# Altium PCB DIO_MCX_Isolated.PCBDOC (part 2 of 5) (continued)
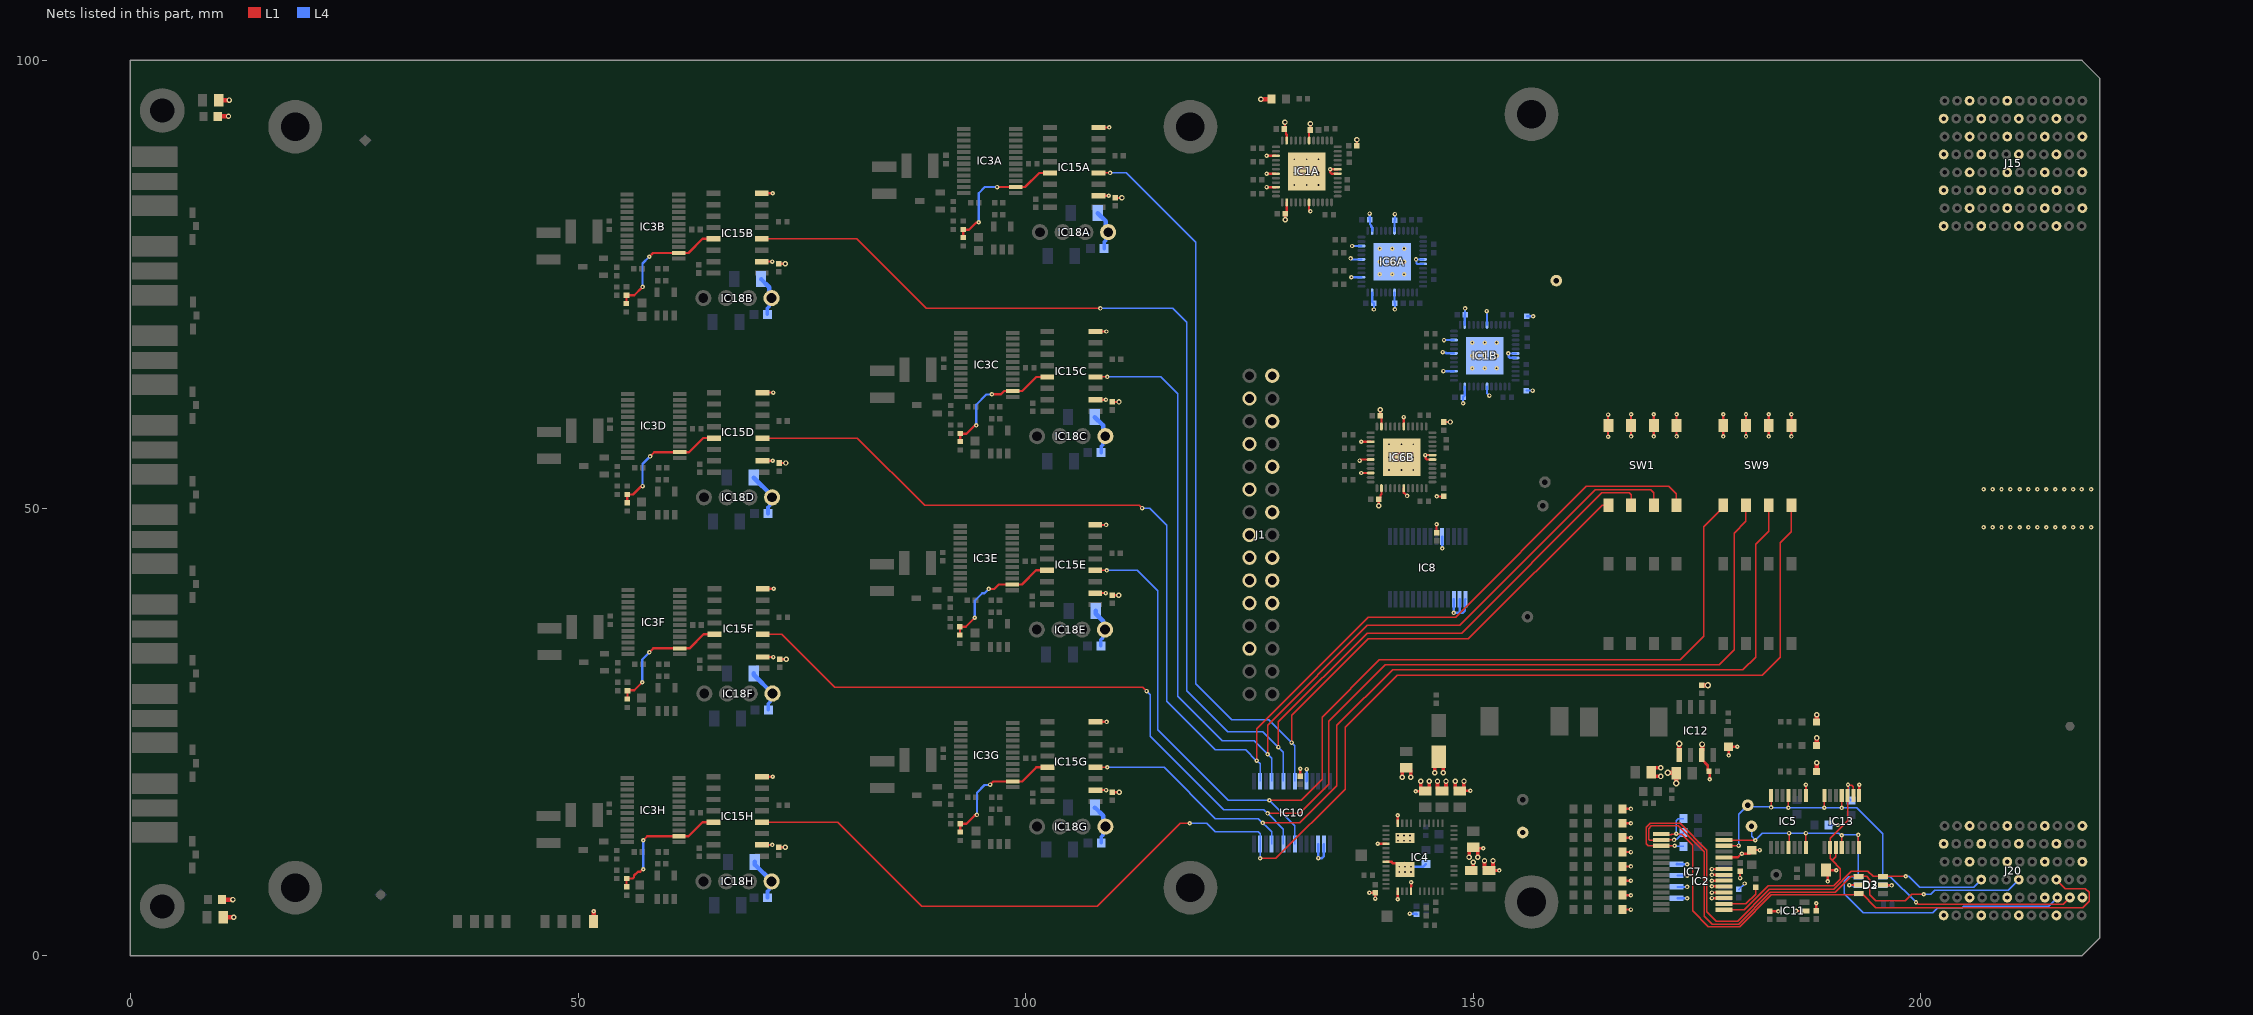
[diagram p4: the nets of this part, all layers, seen from the top]
## Part data (continued)
R5A R5B R7A R7B R9A R9B R11A R11B R13A R13B R16A R16B R21A R21B R24A R24B: library part R0402_100R_1%_0.1W_100PPM, "Resistor - 1%", Case=0402, Manufacturer=GENERIC, Manufacturer1 ComponentHeight=0.4mm, Manufacturer1 Example=PANASONIC, Manufacturer1 Part Number=ERJ2RKF1000X, Manufacturer Part Number=R0402_100R_1%_0.1W_100PPM_50V, Power=0.1W, Tolerance=±1%, Voltage=50V, Author="CERN DEM JLC", Component Type=Standard, CreateDate=12.12.2013, HelpURL=\\cern.ch\dfs\Applications\Altium\Datasheets\R0402_PANASONIC_ERJ2RK.pdf, LatestRevisionDate=03.03.2015, Mounted=Yes, Part Description="General Purpose Thick Film Chip Resistor", Part Number=R0402_100R_1%_0.1W_100PPM, Pin Count=2, Sense=No, SMD=Yes, Socket=No, Status="Not recommended", TC=±100ppm/°C
R6 R30 R32 R33 R61A R61B R61C R61D R61E R61F R61G R61H R65A R65B R65C R65D R65E R65F R65G R65H R67A R67B R67C R67D R67E R67F R67G R67H R104 R105: library part R0402_10K_1%_0.0625W_100PPM, "Resistor - 1%", Case=0402, Manufacturer=GENERIC, Manufacturer1 ComponentHeight=0.4mm, Manufacturer1 Example="YAGEO PHYCOMP", Manufacturer1 Part Number=232270671003L, Power=0.0625W, Tolerance=±1%, Author="CERN DEM JLC", Component Type=Standard, HelpURL=\\cern.ch\dfs\Applications\Altium\Datasheets\R0402_Phycomp_RC0402.pdf, Manufacturer Part Number=R0402_10K_1%_0.0625W_100PPM, Mounted=Yes, Part Description="General Purpose Thick Film Chip Resistor", Part Number=R0402_10K_1%_0.0625W_100PPM, Pin Count=2, SMD=Yes, Socket=No, TC=±100ppm/°C
  R6 R30 R65A R65B R65C R65D R65E R65F R65G R65H: CreateDate=03.12.2007, LatestRevisionDate=17.10.2012, Sense=No, Status="Not recommended"
  R32 R33: CreateDate=2007-12-03, LatestRevisionDate=2012-10-17, Status="Not recommended", Table="Resistors SMD"
  R61A R61B R61C R61D R61E R61F R61G R61H R67A R67B R67C R67D R67E R67F R67G R67H R104 R105: CreateDate=03.12.2007, LatestRevisionDate=17.10.2012, PressFit=No, Sense=No, Status="Not Recommended"
R8 R10: library part R0402_1k_1%_0.0625W_100PPM, "Resistor - 1%", Case=0402, Manufacturer=GENERIC, Manufacturer1 ComponentHeight=0.4mm, Manufacturer1 Example="YAGEO PHYCOMP", Manufacturer1 Part Number=232270671002L, Manufacturer Part Number=R0402_1K_1%_0.0625W_100PPM, Power=0.0625W, Tolerance=±1%, Author="CERN DEM JLC", Component Type=Standard, CreateDate=03.12.2007, HelpURL=\\cern.ch\dfs\Applications\Altium\Datasheets\R0402_Phycomp_RC0402.pdf, LatestRevisionDate=17.10.2012, Mounted=Yes, Part Description="General Purpose Thick Film Chip Resistor", Part Number=R0402_1K_1%_0.0625W_100PPM, Pin Count=2, PressFit=No, Sense=No, SMD=Yes, Socket=No, Status="Not Recommended", TC=±100ppm/°C
R15A R15B R15C R15D R15E R15F R15G R15H R17A R17B R18A R18B R19A R19B R20A R20B R22A R22B R23A R23B R25A R25B R26A R26B: library part R0402_33R_1%_0.0625W_100PPM, "Resistor - 1%", Case=0402, Manufacturer=GENERIC, Manufacturer1 ComponentHeight=0.4mm, Manufacturer1 Example="YAGEO PHYCOMP", Manufacturer1 Part Number=232270673309L, Power=0.0625W, Tolerance=±1%, Author="CERN DEM JLC", Component Type=Standard, CreateDate=03.12.2007, HelpURL=\\cern.ch\dfs\Applications\Altium\Datasheets\R0402_Phycomp_RC0402.pdf, LatestRevisionDate=17.10.2012, Manufacturer Part Number=R0402_33R_1%_0.0625W_100PPM, Mounted=Yes, Part Description="General Purpose Thick Film Chip Resistor", Part Number=R0402_33R_1%_0.0625W_100PPM, Pin Count=2, PressFit=No, Sense=No, SMD=Yes, Socket=No, Status="Not Recommended", TC=±100ppm/°C
R27 R52: library part R0402_0R_JUMPER, "Resistor", Case=0402, Manufacturer=GENERIC, Manufacturer1 ComponentHeight=0.4mm, Manufacturer1 Example="YAGEO PHYCOMP", Manufacturer1 Part Number=232270591001L, Author="CERN DEM JLC", Component Type=Standard, CreateDate=03.12.2007, HelpURL=\\cern.ch\dfs\Applications\Altium\Datasheets\R0402_Phycomp_RC0402.pdf, LatestRevisionDate=17.10.2012, Manufacturer Part Number=R0402_0R_JUMPER, Mounted=Yes, Part Description="1A (0.05R Max DC Resistance) Zero Ohm Jumper", Part Number=R0402_0R_JUMPER, Pin Count=2, PressFit=No, Sense=No, SMD=Yes, Socket=No, Status="Not Recommended"
R28 R63A R63B R63C R63D R63E R63F R63G R63H: library part R0402_22R_1%_0.0625W_100PPM, "Resistor - 1%", Case=0402, Manufacturer=GENERIC, Manufacturer1 ComponentHeight=0.4mm, Manufacturer1 Example="YAGEO PHYCOMP", Manufacturer1 Part Number=232270672209L, Power=0.0625W, Tolerance=±1%, Author="CERN DEM JLC", Component Type=Standard, CreateDate=03.12.2007, HelpURL=\\cern.ch\dfs\Applications\Altium\Datasheets\R0402_Phycomp_RC0402.pdf, LatestRevisionDate=17.10.2012, Manufacturer Part Number=R0402_22R_1%_0.0625W_100PPM, Mounted=Yes, Part Description="General Purpose Thick Film Chip Resistor", Part Number=R0402_22R_1%_0.0625W_100PPM, Pin Count=2, PressFit=No, Sense=No, SMD=Yes, Socket=No, Status="Not Recommended", TC=±100ppm/°C
R31 R34 R35: library part R0603_0R_JUMPER, "Resistor", Case=0603, Manufacturer=GENERIC, Manufacturer1 ComponentHeight=0.55mm, Manufacturer1 Example="NIC COMPONENT", Manufacturer1 Part Number=NRC06Z0, Author="CERN DEM JLC", Component Type=Standard, CreateDate=03.12.2007, HelpURL=\\cern.ch\dfs\Applications\Altium\Datasheets\R0603_NIC_NRC.pdf, LatestRevisionDate=13.03.2008, Manufacturer Part Number=R0603_0R_JUMPER, Mounted=Yes, Part Description="1A (0.05R Max DC Resistance) Zero Ohm Jumper", Part Number=R0603_0R_JUMPER, Pin Count=2, PressFit=No, Sense=No, SMD=Yes, Socket=No, Status=Preferred
R36 R37: library part R0402_1K6_1%_0.0625W_100PPM, "Resistor - 1%", Case=0402, Manufacturer=GENERIC, Manufacturer1 ComponentHeight=0.4mm, Manufacturer1 Example="YAGEO PHYCOMP", Manufacturer1 Part Number=232270671602L, Power=0.0625W, Tolerance=±1%, Author="CERN DEM JLC", Component Type=Standard, CreateDate=03.12.2007, HelpURL=\\cern.ch\dfs\Applications\Altium\Datasheets\R0402_Phycomp_RC0402.pdf, LatestRevisionDate=17.10.2012, Manufacturer Part Number=R0402_1K6_1%_0.0625W_100PPM, Mounted=Yes, Part Description="General Purpose Thick Film Chip Resistor", Part Number=R0402_1K6_1%_0.0625W_100PPM, Pin Count=2, PressFit=No, Sense=No, SMD=Yes, Socket=No, Status="Not Recommended", TC=±100ppm/°C
R38 R39 R40 R41 R42 R43 R44 R45 R46 R47 R48 R49 R50 R53 R54 R55 R56 R57 R58 R59 R60: library part R0603_2K_1%_0.1W_100PPM, "Resistor - 1%", Case=0603, Manufacturer=GENERIC, Manufacturer1 ComponentHeight=0.55mm, Manufacturer1 Example="NIC COMPONENT", Manufacturer1 Part Number=NRC06F2001TRF, Power=0.1W, Tolerance=±1%, Author="CERN DEM JLC", Component Type=Standard, CreateDate=03/12/2007, HelpURL=\\cern.ch\dfs\Applications\Altium\Datasheets\R0603_NIC_NRC.pdf, LatestRevisionDate=13/03/2008, Manufacturer Part Number=R0603_2K_1%_0.1W_100PPM, Part Description="General Purpose Thick Film Chip Resistor", Part Number=R0603_2K_1%_0.1W_100PPM, Pin Count=2, PressFit=No, Sense=No, SMD=Yes, Socket=No, Status=Preferred, TC=±100ppm/°C
  R38 R39 R40 R41 R42 R43 R44 R56: ClassName=NotMounted, Mounted=No
  R45 R46 R47 R48 R49 R50 R53 R54 R55 R57 R58 R59 R60: Mounted=Yes
R51: library part R0603_220R_1%_0.1W_100PPM, "Resistor - 1%", Case=0603, Manufacturer=GENERIC, Manufacturer1 ComponentHeight=0.55mm, Manufacturer1 Example="NIC COMPONENT", Manufacturer1 Part Number=NRC06F2200TRF, Power=0.1W, Tolerance=±1%, Author="CERN DEM JLC", Component Type=Standard, CreateDate=03.12.2007, HelpURL=\\cern.ch\dfs\Applications\Altium\Datasheets\R0603_NIC_NRC.pdf, LatestRevisionDate=13.03.2008, Manufacturer Part Number=R0603_220R_1%_0.1W_100PPM, Mounted=Yes, Part Description="General Purpose Thick Film Chip Resistor", Part Number=R0603_220R_1%_0.1W_100PPM, Pin Count=2, PressFit=No, Sense=No, SMD=Yes, Socket=No, Status=Preferred, TC=±100ppm/°C
R62A R62B R62C R62D R62E R62F R62G R62H: library part R1210_30R_5%_0.5W_200PPM, "Resistor - 5%", Case=1210, Manufacturer=VISHAY, Manufacturer Part Number=CRCW121030R0JNEA, Part Number=R1210_30R_5%_0.5W_200ppm, Power=0.5W, Tolerance=±5%, Author="CERN DEM JMW", ComponentHeight=0.6mm, Component Type=Standard, CreateDate=06.08.2014, HelpURL=\\cern.ch\dfs\Applications\Altium\Datasheets\R1210_VISHAY_CRCW1210.pdf, LatestRevisionDate=06.08.2014, Mounted=Yes, Part Description="Thick Film Chip Resistor", Pin Count=2, PressFit=No, Sense=No, SMD=Yes, Socket=No, Status=None, TC=±200ppm/°C
R64A R64B R64C R64D R64E R64F R64G R64H: library part R1210_49R9_1%_0.5W_100PPM_VISHAY_CRCW, "Resistor - 1%", Case=1210, Manufacturer="VISHAY DRALORIC", Manufacturer Part Number=CRCW121049R9FKTA, Power=0.5W, Tolerance=±1%, Author="CERN DEM JMW", ComponentHeight=0.6mm, Component Type=Standard, CreateDate=06.08.2014, HelpURL=\\cern.ch\dfs\Applications\Altium\Datasheets\R1210_VISHAY_CRCW1210.pdf, LatestRevisionDate=06.08.2014, Mounted=Yes, Part Description="Thick Film Chip Resistor", Part Number=R1210_49R9_1%_0.5W_100PPM_VISHAY_CRCW, Pin Count=2, Sense=No, SMD=Yes, Socket=No, Status=None, TC=±100ppm/°C
R66A R66B R66C R66D R66E R66F R66G R66H R68 R69A R69B R69C R69D R69E R69F R69G R69H: library part R0402_1K_1%_0.0625W_100PPM, "Resistor - 1%", Case=0402, Manufacturer=GENERIC, Manufacturer1 ComponentHeight=0.4mm, Manufacturer1 Example="YAGEO PHYCOMP", Manufacturer1 Part Number=232270671002L, Power=0.0625W, Tolerance=±1%, Author="CERN DEM JLC", Component Type=Standard, CreateDate=03.12.2007, HelpURL=\\cern.ch\dfs\Applications\Altium\Datasheets\R0402_Phycomp_RC0402.pdf, LatestRevisionDate=17.10.2012, Manufacturer Part Number=R0402_1K_1%_0.0625W_100PPM, Mounted=Yes, Part Description="General Purpose Thick Film Chip Resistor", Part Number=R0402_1K_1%_0.0625W_100PPM, Pin Count=2, PressFit=No, Sense=No, SMD=Yes, Socket=No, Status="Not Recommended", TC=±100ppm/°C
R101: library part R0402_27K_1%_0.0625W_100PPM, "Resistor - 1%", Case=0402, Manufacturer=GENERIC, Manufacturer1 ComponentHeight=0.4mm, Manufacturer1 Example="YAGEO PHYCOMP", Manufacturer1 Part Number=232270672703L, Power=0.0625W, Tolerance=±1%, Author="CERN DEM JLC", Component Type=Standard, CreateDate=03/12/2007, HelpURL=\\cern.ch\dfs\Applications\Altium\Datasheets\R0402_Phycomp_RC0402.pdf, LatestRevisionDate=17/10/2012, Manufacturer Part Number=R0402_27K_1%_0.0625W_100PPM, Mounted=Yes, Part Description="General Purpose Thick Film Chip Resistor", Part Number=R0402_27K_1%_0.0625W_100PPM, Pin Count=2, PressFit=No, Sense=No, SMD=Yes, Socket=No, Status="Not Recommended", TC=±100ppm/°C
R103: library part R0402_8K2_1%_0.0625W_100PPM, "Resistor - 1%", Case=0402, Manufacturer=GENERIC, Manufacturer1 ComponentHeight=0.4mm, Manufacturer1 Example="YAGEO PHYCOMP", Manufacturer1 Part Number=232270678202L, Power=0.0625W, Tolerance=±1%, Author="CERN DEM JLC", Component Type=Standard, CreateDate=03.12.2007, HelpURL=\\cern.ch\dfs\Applications\Altium\Datasheets\R0402_Phycomp_RC0402.pdf, LatestRevisionDate=17.10.2012, Manufacturer Part Number=R0402_8K2_1%_0.0625W_100PPM, Mounted=Yes, Part Description="General Purpose Thick Film Chip Resistor", Part Number=R0402_8K2_1%_0.0625W_100PPM, Pin Count=2, PressFit=No, Sense=No, SMD=Yes, Socket=No, Status="Not Recommended", TC=±100ppm/°C
SCREW1 SCREW2 SCREW3 SCREW4: library part BOSSARD_BN5687-3061605_v, "Screw", Manufacturer=BOSSARD, Manufacturer Part Number="BN5687 Art.3061605", Author="CERN DEM JLC", ComponentHeight=2.4mm, Component Type=Mechanical, CreateDate=15.01.2013, HelpURL=\\cern.ch\dfs\Applications\Altium\Datasheets\BOSSARD_BN5687-3061605.pdf, LatestRevisionDate=15.01.2013, Mounted=Yes, PackageDescription="M3 L=6mm Hexalobular Socket Pan Head Screw, Fully Threaded - Stainless Steel A2", Part Description="M3 L=6mm Hexalobular Socket Pan Head Screw, Fully Threaded, Stainless Steel A2", Part Number=BOSSARD_BN5687-3061605_v, Pin Count=0, PressFit=No, Sense=No, SMD=No, Socket=No, Status=None
ST1 ST2 ST3 ST4: "M3x10 standoff", Manufacturer=DREMEC, Manufacturer Part Number=TFF-M3X10/DR124, Part Number=DREMEC_TFF-M3X10/DR124, Author=GK, ComponentHeight=10mm, Component Type=Mechanical, CreateDate=25.02.2019, HelpURL=\\cern.ch\dfs\Applications\Altium\Datasheets\BOSSARD_BN5687-3061597.pdf, LatestRevisionDate=25.02.2019, Mounted=Yes, PackageDescription="M3 L=10mm   Fully Threaded - Stainless Steel spacer", Part Description="M3x10 female Hex Spacer made of free-machining brass with nickel plated finish", Pin Count=0, PressFit=No, Sense=No, SMD=No, Socket=No, Status=None
SW1 SW5 SW6 SW9: library part SW_OMRON_A6S-4102-H, "4 Ways SPST DIP Switch", Manufacturer=OMRON, Manufacturer Part Number=A6S-4102-H, Author="CERN DEM JMW", ComponentHeight=3.8mm, Component Type=Standard, CreateDate=25.09.2008, Family=Switch, HelpURL=\\cern.ch\dfs\Applications\Altium\Datasheets\SW_OMRON_A6S-4102-H.pdf, LatestRevisionDate=25.09.2008, Mounted=Yes, PackageDescription="Pitch 2.54mm, Body 11.3x6.4mm, 4 Ways SPST Surface-Mounting DIP Switch, OMRON A6S-H", Part Description="4 Ways SPST DIP Switch, White Flat Actuator with Seal Tape, Contact Rating 25mA 24VDC", Part Number=SW_OMRON_A6S-4102-H, Pin Count=8, PressFit=No, Sense=No, SMD=Yes, Socket=No, Status=None
T5A T5B T5C T5D T5E T5F T5G T5H: "N-CHANNEL MOSFET WITH DIODE", Case=SOT23-3, Manufacturer="ON SEMICONDUCTOR", Author="CERN DEM JLC", Bonding=No, ComponentHeight=1.11mm, Component Type=Standard, CreateDate=23.03.2009, Device=BSS138LT1G, HelpURL=\\cern.ch\dfs\Applications\Altium\Datasheets\BSS138LT1G.pdf, LatestRevisionDate=23.03.2009, Manufacturer Part Number=BSS138LT1G, Mounted=Yes, PackageDescription="SOT23 3-Leads, Pitch 0.95mm - Body 1.4x3mm, IPC Medium Density", Part Description="50V 200mA N-Channel Enhancement Mode Field-Effect Transistor", Part Number=BSS138LT1G, Pin Count=3, PressFit=No, Sense=No, SMD=Yes, Socket=No
TP1 TP2: library part SMD_PAD_1.27X1.27MM, Author="CERN DEM JLC", ComponentHeight=0mm, Component Type="Standard (No BOM)", CreateDate=12.01.2008, Family="Test Point", HelpURL=Undefined, LatestRevisionDate=12.01.2008, Mounted=No, PackageDescription="1.27mm x 1.27mm PCB Copper Area (SMD Test Point)", Part Description="1.27mm x 1.27mm PCB Copper Area (SMD Test Point)", Part Number=SMD_PAD_1.27X1.27MM, Pin Count=1, Sense=No, SMD=No, Socket=No, Status=None

## Free pads (board coordinates)
  round 6 hole 3.2: 0(118.4,7.6) 0(156.5,6) 0(156.5,94) 1(118.4,92.6) 2(18.4,92.6) 3(18.4,7.6)

## Via types
v1: diameter 0.5, hole 0.2, L1 to L4, tented both sides, 381 vias
v2: diameter 0.6, hole 0.3, L1 to L4, tented both sides, 206 vias
v3: diameter 0.5, hole 0.2, L1 to L4, 49 vias
v4: diameter 0.8, hole 0.5, L1 to L4, tented both sides, 19 vias
v5: diameter 0.7, hole 0.4, L1 to L4, tented both sides, 5 vias

## Nets (pads, with @x,y where several pads share a name; then routed paths per layer and width w, separated by ;. In a path a pad name is that pad's centre, name@x,y a point inside that pad or via, vN(x,y) a via of type N, cw(c..) or ccw(c..) an arc to the next point about the centre after c; other vN are vias at no path point)
BUS_SCL: B2.1 D2.1 IC5.1 IC5.4 IC7.12 IC13.1 IC13.4 J20.B2 | length 55.7
  L1 w0.152: IC7.12@178,12.282 178.018,12.3 v3(179.625,12.3) ; v1(183.255,16.57) IC5.1@183.255,17.9 ; v1(185.205,16.53) IC5.4@185.205,17.9 ; v1(189.205,16.516) IC13.1@189.205,17.9 ; v1(191.155,16.505) IC13.4@191.155,17.9 ; v1(199.45,5.975) 199.685,5.74 215.879,5.74 J20.B2@216.639,6.5
  L4 w0.152: v3(179.625,12.3) 179.625,15.773 B2.1@180.65,16.798 180.811,16.636 183.189,16.636 v1(183.255,16.57) 183.3,16.525 v1@185.2,16.525 ; v1(185.205,16.53) v1@185.2,16.525 ; v1@189.189,16.525 v1@185.2,16.525 ; v1@189.205,16.525 v1@191.1,16.525 ; v1@191.155,16.525 192.825,16.525 195.736,13.614 D2.1@195.736,8.828 196.597,8.828 v1(199.45,5.975)
BUS_SDA: B9.1 D2.6 IC5.8 IC5.11 IC7.13 IC13.8 IC13.11 J20.C2 | length 56.5
  L1 w0.152: IC7.13@178,12.932 178.032,12.9 v1(181.5,12.9) ; IC5.11@185.205,12.1 185.27,12.165 v1(185.27,13.7) ; v1(187.15,13.7) 187.153,13.697 187.153,12.103 IC5.8@187.155,12.1 ; IC13.11@191.155,12.1 v1(191.155,13.45) ; v1(193,13.495) 193,12.205 IC13.8@193.105,12.1
  L4 w0.152: B9.1@181.075,14.45 181.075,13.325 v1(181.5,12.9) 182.3,13.7 v1(185.27,13.7) 185.273,13.703 187.147,13.703 v1(187.15,13.7) 190.811,13.7 191.061,13.45 v1(191.155,13.45) 191.2,13.495 v1(193,13.495) 193,8.864 D2.6@193.036,8.828 191.944,8.828 191.45,8.334 191.45,6.925 193.575,4.8 201.294,4.8 201.875,5.381 204.631,5.381 204.762,5.512 214.251,5.512 J20.C2@215.239,6.5
DIR0: IC10.8 IC15A.4 SW1.1 | length 129.4
  L1 w0.152: IC15A.4@108.13,87.432 v1(109.421,87.432) ; v1(129.706,23.8) 129.706,26.856 138.25,35.4 149.45,35.4 164.377,50.327 SW1.1@165.085,50.327
  L4 w0.152: v1(109.421,87.432) 111.238,87.432 119,79.67 119,30.377 123.025,26.352 127.154,26.352 v1(129.706,23.8) 130.075,23.431 IC10.8@130.075,19.475
DIR2: IC10.6 IC15B.4 SW1.2 | length 163.4
  L1 w0.152: IC15B.4@70.525,80.076 81.128,80.076 88.899,72.305 v1(108.355,72.305) ; v1(128.225,23.3) 128.225,26.125 138.135,36.035 148.685,36.035 164.35,51.7 167.4,51.7 167.625,51.475 SW1.2@167.625,50.327
  L4 w0.152: v1(108.355,72.305) 116.445,72.305 118,70.75 118,29.622 122.582,25.04 126.485,25.04 v1(128.225,23.3) 128.775,22.75 IC10.6@128.775,19.475
DIR4: IC10.4 IC15C.4 SW1.3 | length 118.5
  L1 w0.152: IC15C.4@107.81,64.643 v1(109.101,64.643) ; v1(127.019,22.5) 127.019,25.769 138.15,36.9 148.461,36.9 163.636,52.075 169.8,52.075 170.165,51.71 SW1.3@170.165,50.327
  L4 w0.152: v1(109.101,64.643) 115.107,64.643 117,62.75 117,28.954 121.954,24 125.519,24 v1(127.019,22.5) 127.475,22.044 IC10.4@127.475,19.475
DIR6: IC10.2 IC15D.4 SW1.4 | length 147.4
  L1 w0.152: IC15D.4@70.595,57.819 81.207,57.819 88.726,50.3 112.7,50.3 v1(113,50) ; v1(125.8,21.8) 125.8,25.375 138.254,37.829 148.013,37.829 162.609,52.425 171.843,52.425 172.673,51.595 172.673,50.358 SW1.4@172.705,50.327
  L4 w0.152: v1(113,50) 113.857,50 115.75,48.107 115.75,28.418 121.168,23 124.575,23 125.775,21.8 v1(125.8,21.8) 126.175,21.425 IC10.2@126.175,19.475
DIR8: IC10.21 IC15E.4 SW9.1 | length 120.9
  L1 w0.152: IC15E.4@107.775,43.042 v1(109.066,43.042) ; v1(127.225,17.373) 130.773,17.373 133.1,19.7 133.1,26.625 139.518,33.043 173.093,33.043 175.725,35.675 175.725,47.925 177.92,50.12 SW9.1@177.92,50.327
  L4 w0.152: v1(109.066,43.042) 112.458,43.042 114.75,40.75 114.75,25.25 122.627,17.373 v1(127.225,17.373) 130.075,14.523 IC10.21@130.075,12.475
DIR10: IC10.23 IC15F.4 SW9.2 | length 152
  L1 w0.152: IC15F.4@70.635,35.899 72.766,35.899 78.665,30 113.055,30 v1(113.5,29.555) ; v1(127.025,15.888) 130.588,15.888 133.875,19.175 133.875,26.175 140.184,32.484 177.457,32.484 179.125,34.152 179.125,47.175 180.46,48.51 SW9.2@180.46,50.327
  L4 w0.152: v1(113.5,29.555) 113.5,29.525 113.53,29.525 113.9,29.155 113.9,24.527 122.129,16.298 126.615,16.298 v1(127.025,15.888) 128.775,14.138 IC10.23@128.775,12.475
DIR12: IC10.25 IC15G.4 SW9.3 | length 108.3
  L1 w0.152: IC15G.4@107.818,21.04 v1(109.109,21.04) ; v1(126.475,14.825) 130.631,14.825 134.771,18.965 134.771,25.721 140.975,31.925 180.1,31.925 181.525,33.35 181.525,45.95 183,47.425 SW9.3@183,50.327
  L4 w0.152: v1(109.109,21.04) 115.46,21.04 121.202,15.298 126,15.298 127.475,13.823 IC10.25@127.475,12.475
DIR14: IC10.27 IC15H.4 SW9.4 | length 155.5
  L1 w0.152: IC15H.4@70.538,14.914 78.986,14.914 88.4,5.5 108,5.5 117.293,14.793 v1(118.325,14.793) ; v1(126.183,10.883) 127.938,10.883 135.675,18.62 135.675,25.525 141.5,31.35 182.275,31.35 184.275,33.35 184.275,46.1 185.54,47.365 SW9.4@185.54,50.327
  L4 w0.152: v1(118.325,14.793) 118.343,14.775 120.2,14.775 121.152,13.823 125.952,13.823 126.175,13.6 IC10.27@126.175,12.475 126.175,11.35 126.183,11.341 v1(126.183,10.883)
DIR_ISOA: IC3A.2 IC15A.13 R61A.1 R69A.1 | length 15.2
  L1 w0.254: R69A.1@93.006,80.211 93.015,80.22 R61A.1@93.015,81.13 93.07,81.075 93.65,81.075 94.453,81.878 94.703,81.878 v1(94.75,81.925) ; v1(96.811,85.861) IC3A.2@98.87,85.861 99.936,85.861 101.507,87.432 IC15A.13@102.73,87.432
  L4 w0.254: v1(94.75,81.925) 94.75,85.175 95.436,85.861 v1(96.811,85.861)
DIR_ISOB: IC3B.2 IC15B.13 R61B.1 R69B.1 | length 14.8
  L1 w0.254: R69B.1@55.401,72.854 55.41,72.863 R61B.1@55.41,73.773 56.273,73.773 v1(57.2,74.7) ; v1(57.95,78.075) 58.379,78.504 IC3B.2@61.265,78.504 62.331,78.504 63.903,80.076 IC15B.13@65.125,80.076
  L4 w0.254: v1(57.2,74.7) 57.2,77.325 v1(57.95,78.075)
DIR_ISOC: IC3C.2 IC15C.13 R61C.1 R69C.1 | length 14.6
  L1 w0.254: R69C.1@92.686,57.421 92.686,58.331 R61C.1@92.695,58.341 92.735,58.3 93.4,58.3 94.29,59.19 94.428,59.19 v1(94.475,59.237) ; v1(96.236,62.712) 97.24,62.712 97.6,63.072 IC3C.2@98.55,63.072 99.616,63.072 101.187,64.643 IC15C.13@102.41,64.643
  L4 w0.254: v1(94.475,59.237) 94.475,61.55 95.605,62.68 96.205,62.68 v1(96.236,62.712)
DIR_ISOD: IC3D.2 IC15D.13 R61D.1 R69D.1 | length 14.7
  L1 w0.254: R69D.1@55.471,50.597 55.48,50.606 R61D.1@55.48,51.516 56.15,51.516 57.037,52.403 57.153,52.403 v1(57.2,52.45) ; v1(58.05,55.775) 58.522,56.247 IC3D.2@61.335,56.247 62.402,56.247 63.973,57.819 IC15D.13@65.195,57.819
  L4 w0.254: v1(57.2,52.45) 57.2,54.925 v1(58.05,55.775)
DIR_ISOE: IC3E.2 IC15E.13 R61E.1 R69E.1 | length 14.4
  L1 w0.254: R69E.1@92.651,35.82 92.651,36.73 R61E.1@92.66,36.739 93.292,36.739 v1(94.305,37.752) ; v1(95.875,40.967) 96.492,40.967 96.996,41.471 IC3E.2@98.515,41.471 99.581,41.471 101.153,43.042 IC15E.13@102.375,43.042
  L4 w0.254: v1(94.305,37.752) 94.3,37.756 94.3,39.65 95.147,40.497 95.405,40.497 v1(95.875,40.967)
DIR_ISOF: IC3F.2 IC15F.13 R61F.1 R69F.1 | length 14.7
  L1 w0.254: R69F.1@55.511,28.678 55.511,29.588 R61F.1@55.52,29.597 55.573,29.65 56.275,29.65 v1(57.16,30.535) ; v1(57.97,33.9) 58.398,34.328 IC3F.2@61.375,34.328 62.442,34.328 64.013,35.899 IC15F.13@65.235,35.899
  L4 w0.254: v1(57.16,30.535) 57.16,33.09 v1(57.97,33.9)
DIR_ISOG: IC3G.2 IC15G.13 R61G.1 R69G.1 | length 14.7
  L1 w0.254: R69G.1@92.694,13.818 92.703,13.827 R61G.1@92.703,14.738 92.712,14.747 93.394,14.747 94.326,15.679 94.508,15.679 v1(94.555,15.726) ; v1(96.025,19.109) 96.385,19.469 IC3G.2@98.558,19.469 99.624,19.469 101.195,21.04 IC15G.13@102.418,21.04
  L4 w0.254: v1(94.555,15.726) 94.55,15.73 94.55,18.2 95.412,19.062 95.978,19.062 v1(96.025,19.109)
DIR_ISOH: IC3H.2 IC15H.13 R61H.1 R69H.1 | length 15.3
  L1 w0.254: R69H.1@55.414,7.692 55.423,7.702 R61H.1@55.423,8.612 56.109,8.612 56.258,8.761 56.258,8.948 56.687,9.377 56.936,9.377 57.208,9.65 v1(57.275,9.65) ; v1(57.275,12.9) 57.718,13.343 IC3H.2@61.278,13.343 62.343,13.343 63.914,14.914 IC15H.13@65.138,14.914
  L4 w0.254: v1(57.275,9.65) v1(57.275,12.9)
DIS_I2C0: IC7.1 IC13.5 IC13.6 IC13.12 IC13.13 R46.1 | length 31.5
  L1 w0.152: IC7.1@178,5.132 180.257,5.132 182.925,7.8 190.244,7.8 191.004,8.56 191.004,9.738 190.096,10.646 ; IC13.12@190.505,12.1 190.505,11.055 190.096,10.646 ; IC13.6@192.455,17.9 192.455,18.854 192.275,19.033 191.922,19.033 v1(191.855,19.1) 191.855,17.95 IC13.5@191.805,17.9 191.805,15.064 189.855,13.114 IC13.13@189.855,12.1 189.855,10.886 190.096,10.646
  L4 w0.152: v1(191.855,19.1) 191.855,18.9 191.916,18.839 191.916,17.609 R46.1@192.2,17.325
DIS_I2C1: IC7.2 R27.1 | length 4.8
  L1 w0.152: IC7.2@178,5.782 180.442,5.782 181.525,6.865 R27.1@181.525,7.655
GA0: D3.6 IC7.15 J20.C3 R58.1 | length 66.6
  L1 w0.152: IC7.15@171,13.582 171.087,13.495 172.125,13.495 172.191,13.56 172.606,13.56 v1@172.628,13.582 ; v1(172.673,13.627) v1@172.628,13.582 ; J20.C3@215.139,8.5 216.139,7.5 218.36,7.5 218.8,7.06 218.8,6.1 218.081,5.381 194.958,5.381 193.389,6.95 D3.6@193.05,6.95 192.9,6.8 183.3,6.8 179.75,3.25 176.25,3.25 174.5,5 174.5,12.341 173.259,13.582 v1@172.628,13.582
  L4 w0.152: v1(172.673,13.627) 172.673,15.076 172.911,15.314 R58.1@173.5,15.314
GA1: D3.4 IC7.16 J20.F3 R59.1 | length 61
  L1 w0.152: v1(172.432,12.932) IC7.16@171,12.932 170.968,12.9 169.7,12.9 169.579,13.021 169.579,14.206 169.873,14.5 172.9,14.5 175.8,11.6 175.8,4.4 176.671,3.529 179.634,3.529 183.184,7.079 190.429,7.079 192.2,8.85 D3.4@193.05,8.85 193.95,8.85 194.3,8.5 194.3,6.808 194.958,6.15 198.225,6.15 198.95,6.875 v1(200.325,6.875)
  L4 w0.152: v1(172.432,12.932) 172.498,12.998 172.743,12.998 R59.1@173.5,13.755 ; v1(200.325,6.875) 201.075,6.875 201.525,7.325 209.764,7.325 J20.F3@210.939,8.5
GA2: D3.3 IC7.17 J20.I3 R57.1 | length 55.7
  L1 w0.152: v1(172.477,12.282) IC7.17@171,12.282 169.547,12.282 169.3,12.529 169.3,14.322 169.758,14.779 173.121,14.779 176.1,11.8 176.1,4.907 177.15,3.857 179.539,3.857 183.082,7.4 190.239,7.4 191.283,8.444 191.283,8.478 192.234,9.429 194.071,9.429 194.65,8.85 D3.3@195.75,8.85 v1@198.301,8.85
  L4 w0.152: v1(172.477,12.282) 172.543,12.215 172.84,12.215 172.85,12.205 R57.1@173.5,12.205 ; v1(198.301,8.884) 198.619,8.884 199.853,7.65 205.889,7.65 J20.I3@206.739,8.5
GND: B1.1 B4.1 C1A.1 C1B.1 C2A.1 C2B.1 C3A.1 C3B.1 C4A.1 C4B.1 C5.2 C6.2 C7A.1 C7B.1 C8A.1 C8B.1 C9A.1 C9B.1 C10.1 C11A.1 C11B.1 C12.1 C13.2 C14.1 C15.1 C16.1 C17.1 C18.1 C19.1 C20.1 C23.1 C24.1 C25.1 C27.1 C28.1 C29.1 C30A.1 C30B.1 C30C.1 C30D.1 C30E.1 C30F.1 C30G.1 C30H.1 C33A.1 C33B.1 C33C.1 C33D.1 C33E.1 C33F.1 C33G.1 C33H.1 C37.1 C38.1 C39A.2 C39B.2 C39C.2 C39D.2 C39E.2 C39F.2 C39G.2 C39H.2 C93.1 C95.1 C121.1 C123.1 D2.2 D2.5 D3.2 D3.5 IC1A.6 IC1A.7 IC1A.18 IC1A.23 IC1A.27 IC1A.31 IC1A.34 IC1A.38 IC1A.43 IC1A.49 IC1B.6 IC1B.7 IC1B.18 IC1B.23 IC1B.27 IC1B.31 IC1B.34 IC1B.38 IC1B.43 IC1B.49 IC2.1 IC2.2 IC2.3 IC2.4 IC4.26 IC4.31 IC4.35 IC4.42 IC4.45 IC4.53 IC4.54 IC5.7 IC6A.6 IC6A.7 IC6A.18 IC6A.23 IC6A.27 IC6A.31 IC6A.34 IC6A.38 IC6A.43 IC6A.49 IC6B.6 IC6B.7 IC6B.18 IC6B.23 IC6B.27 IC6B.31 IC6B.34 IC6B.38 IC6B.43 IC6B.49 IC7.3 IC7.4 IC7.5 IC7.6 IC7.7 IC7.8 IC7.10 IC8.10 IC8.15 IC8.16 IC8.17 IC10.10 IC10.16 IC10.17 IC11.2 IC12.1 IC12.3 IC13.7 IC15A.2 IC15A.8 IC15B.2 IC15B.8 IC15C.2 IC15C.8 IC15D.2 IC15D.8 IC15E.2 IC15E.8 IC15F.2 IC15F.8 IC15G.2 IC15G.8 IC15H.2 IC15H.8 IC18A.1 IC18B.1 IC18C.1 IC18D.1 IC18E.1 IC18F.1 IC18G.1 IC18H.1 J1.6 J1.9 J1.10 J1.11 J1.12 J1.13 J1.14 J1.16 J1.17 J1.20 J1.21 J1.24 J1.25 J1.28 J1.29 J15.A2 J15.A4 J15.A6 J15.C1 J15.C3 J15.C5 J15.C7 J15.D2 J15.D4 J15.D6 J15.F1 J15.F3 J15.F5 J15.F7 J15.G2 J15.G4 J15.G6 J15.G8 J15.I1 J15.I3 J15.I5 J15.I7 J15.J2 J15.J4 J15.J6 J15.J8 J15.L1 J15.L3 J15.L5 J15.L7 J20.A2 J20.A4 J20.A6 J20.C1 J20.C5 J20.D2 J20.D4 J20.D6 J20.F1 J20.F5 J20.G2 J20.G4 J20.G6 J20.I1 J20.I5 J20.J2 J20.J4 J20.J6 J20.L1 J20.L5 LD4.1 LD7.1 LD9.1 R2.1 R4.2 R31.2 R34.1 R35.1 R47.1 R48.1 R49.1 R50.1 R51.1 R53.1 R54.1 R55.1 R56.1 R103.2 SW1.5 SW1.6 SW1.7 SW1.8 SW9.5 SW9.6 SW9.7 SW9.8 | length 229.3
  L1 w0.25: IC4.35@140.254,10.495 140.854,10.495 ; IC4.45@143.054,7.195 143.054,7.795
  L1 w0.254: IC15B.2@70.525,77.536 v1(71.683,77.536) ; IC15B.8@70.525,85.156 v1(71.738,85.156) ; IC15H.2@70.538,12.374 v1(71.696,12.374) ; IC15H.8@70.538,19.994 v1(71.75,19.994) ; IC15D.2@70.595,55.279 v1(71.753,55.279) ; IC15D.8@70.595,62.899 v1(71.808,62.899) ; IC15F.2@70.635,33.359 v1(71.793,33.359) ; IC15F.8@70.635,40.979 v1(71.848,40.979) ; C33B.1@72.395,77.291 v2@73.078,77.291 ; C33H.1@72.408,12.129 v2@73.091,12.129 ; C33D.1@72.465,55.034 v2@73.148,55.034 ; C33F.1@72.505,33.114 v2@73.188,33.114 ; IC15E.2@107.775,40.502 v1(108.933,40.502) ; IC15E.8@107.775,48.122 v1(108.988,48.122) ; IC15C.2@107.81,62.103 v1(108.967,62.103) ; IC15C.8@107.81,69.723 v1(109.022,69.723) ; IC15G.2@107.818,18.5 v1(108.975,18.5) ; IC15G.8@107.818,26.12 v1(109.03,26.12) ; IC15A.2@108.13,84.892 v1(109.287,84.892) ; IC15A.8@108.13,92.512 v1(109.342,92.512) ; C33E.1@109.645,40.257 v2@110.328,40.257 ; C33C.1@109.68,61.858 v2@110.362,61.858 ; C33G.1@109.688,18.255 v2@110.37,18.255 ; C33A.1@110,84.647 v2@110.682,84.647 ; v1(126.906,85.85) IC1A.34@127.956,85.85 ; v1(126.906,87.35) IC1A.31@127.956,87.35 ; v1(126.906,89.35) IC1A.27@127.956,89.35 ; v2(128.956,93.1) 128.956,92.392 C8A.1@128.906,92.342 129.089,92.159 129.089,91.779 129.156,91.712 IC1A.23@129.156,91.05 ; v2(129.006,82.192) C9A.1@129.006,82.9 129.156,83.05 IC1A.38@129.156,84.15 ; C27.1@130.675,20.05 v1(130.675,20.875) ; IC1A.43@131.656,84.15 131.656,83.3 v1(131.806,83.15) ; IC1A.18@131.656,91.05 131.656,92.08 C4A.1@131.806,92.23 v2(131.806,92.938) ; IC1A.6@134.856,87.35 134.847,87.359 134.155,87.359 134.025,87.489 134.025,87.831 v1(134.006,87.85) IC1A.7@134.856,87.85 ; C1A.1@137,90.45 v2(137,91.158) ; v1@137.347,55.347 137.418,55.418 IC6B.31@138.536,55.418 ; v1(137.486,53.918) IC6B.34@138.536,53.918 ; v1(137.486,57.418) IC6B.27@138.536,57.418 ; v2(139.442,50.26) C1B.1@139.442,50.968 139.625,51.151 139.625,51.444 139.736,51.555 IC6B.38@139.736,52.218 ; v2(139.611,61) C2B.1@139.611,60.293 139.736,60.168 IC6B.23@139.736,59.118 ; IC6B.43@142.236,52.218 142.245,52.209 142.245,51.719 v1(142.6,51.364) ; IC6B.18@142.236,59.118 v1(142.236,60.168) ; IC6B.6@145.436,55.418 145.427,55.426 144.791,55.426 144.689,55.528 144.689,55.871 v1(144.642,55.918) IC6B.7@145.436,55.918 IC6B.7@145.692,55.918 ; C28.1@145.9,47.25 v1(145.9,48.2) ; v1(145.925,51.3) 146.694,51.3 C9B.1@146.711,51.318 ; C7B.1@146.711,59.618 v2(147.419,59.618) ; v1(151.5,72) v1@151.532,71.967 ; v1(165.05,57.977) 165.05,59.192 SW1.8@165.085,59.227 ; SW1.8@165.05,59.227 v1(165.05,60.45) ; R47.1@166.649,5.15 v1(167.6,5.15) ; R53.1@166.649,6.757 v1(167.6,6.757) ; R48.1@166.649,8.364 v1(167.6,8.364) ; R54.1@166.649,9.971 v1(167.6,9.971) ; R49.1@166.649,11.579 v1(167.6,11.579) ; R55.1@166.649,13.186 v1(167.6,13.186) ; R50.1@166.649,14.793 v1(167.6,14.793) ; R56.1@166.649,16.4 v1(167.6,16.4) ; v1(167.625,58.011) SW1.7@167.625,59.227 ; SW1.7@167.625,59.261 v1(167.625,60.485) ; v1(170.165,58.011) SW1.6@170.165,59.227 ; SW1.6@170.165,59.261 v1(170.165,60.485) ; v1(172.705,58.011) SW1.5@172.705,59.227 ; SW1.5@172.705,59.261 v1(172.705,60.485) ; v1(173.875,10.225) v1@173.9,10.2 ; v1(176.649,6.432) IC7.3@177.6,6.432 ; v1(176.649,7.057) IC7.4@177.6,7.057 ; v1(176.649,7.75) IC7.5@177.6,7.75 ; v1(176.649,8.382) IC7.6@177.6,8.382 ; v1(176.649,9.027) IC7.7@177.6,9.027 ; v1(176.649,9.682) IC7.8@177.6,9.682 ; v1(177.92,58.011) SW9.8@177.92,59.227 ; SW9.8@177.92,59.261 v1(177.92,60.485) ; IC7.10@178,10.982 179.53,10.982 179.933,11.385 v1(180,11.385) C24.1@180.882,11.385 ; v1(179.8,8.664) C23.1@179.8,9.615 ; v1(180.46,58.011) SW9.7@180.46,59.227 ; SW9.7@180.46,59.261 v1(180.46,60.485) ; C24.1@181.1,11.782 181.118,11.8 v1(182,11.8) ; v1(183,58.011) SW9.6@183,59.227 ; SW9.6@183,59.261 v1(183,60.485) ; C38.1@183.108,4.95 v1(184.058,4.95) ; v1(185.54,58.011) SW9.5@185.54,59.227 ; SW9.5@185.54,59.261 v1(185.54,60.485) ; v1(186.058,5) IC11.2@187.008,5 ; IC5.7@187.15,17.905 v1(187.15,19.086) ; C37.1@188.3,4.9 v1(188.3,5.851) ; v1(189.6,8.299) C29.1@189.6,9.25 ; C29.1@189.6,9.55 v1(190.551,9.55) ; v1(192,7.895) 192.003,7.897 193.047,7.897 D3.5@193.05,7.9 ; v1(193.1,19.086) 193.1,17.905 IC13.7@193.105,17.9 ; D3.2@195.75,7.9 195.794,7.856 v1(196.722,7.856)
  L1 w0.3: v1(138.4,7.041) 138.402,7.043 139.048,7.043 139.05,7.041 C20.1@139.054,7.045 ; v1@139.052,6.389 C20.1@139.052,7.035 ; v1(139.325,12.513) 139.325,12.5 140.248,12.5 IC4.31@140.254,12.495 ; 140.854,10.495 141.029,10.32 141.666,10.32 IC4.53@142.354,9.632 ; v1(141.554,6.3) IC4.42@141.554,7.195 ; IC4.26@141.554,14.795 v1(141.554,15.7) ; 143.054,7.795 v1(143.054,8.2) ; v1@143.573,18.373 C16.1@144.219,18.373 ; C10.1@149.031,18.427 v1@149.677,18.427 ; C15.1@150.456,11.997 v1(151.104,11.999) ; C18.1@152.256,9.522 v1@152.902,9.522 ; IC12.3@175.535,22.4 175.535,21.925 176.19,21.27 176.19,20.765 176.4,20.555 v1(176.4,19.7) ; C95.1@178.5,23.335 178.525,23.31 v1(178.525,22.375) ; C95.1@178.55,23.335 v1(179.485,23.335)
  L1 w0.4: v2(142.05,19.935) C14.1@142.05,20.69 ; v2(143.004,19.935) C14.1@143.004,20.69 ; C16.1@144.125,18.72 v2(144.125,19.475) ; C16.1@144.304,18.72 144.629,18.395 C16.1@144.633,18.395 ; C16.1@145.079,18.72 v2(145.079,19.475) ; v2(145.7,20.42) C13.2@145.7,21.175 ; C17.1@146,18.72 v2(146,19.475) ; v2(146.654,20.42) C13.2@146.654,21.175 ; C17.1@146.954,18.72 v2(146.954,19.475) ; C10.1@148,18.72 v2(148,19.475) ; C10.1@148.954,18.72 v2(148.954,19.475) ; v2(149.529,11.014) C15.1@149.529,11.77 ; C19.1@149.754,9.52 150,9.766 v2(150,10.449) ; v2(150.483,11.014) C15.1@150.483,11.77 ; C18.1@151.25,9.845 v2(151.25,10.6) ; C18.1@152.204,9.845 v2(152.204,10.6) ; C121.1@170.2,20.025 v2(170.955,20.025) ; C121.1@170.2,20.979 v2(170.955,20.979)
  L1 w0.5: R35.1@9.751,93.755 v2(10.95,93.755) ; C6.2@9.851,95.575 v2(11.05,95.575) ; R34.1@10.25,6.268 v2(11.449,6.268) ; C5.2@10.35,4.3 v2(11.549,4.3) ; R4.2@51.7,3.798 51.75,3.848 v1(51.75,4.962) ; v2(126.276,95.675) R31.2@127.475,95.675 ; v5(171.727,20.44) C123.1@172.4,20.44 ; v5(172.675,19.252) C123.1@172.675,19.925 ; IC12.1@173,23 v5(173,23.673) ; C93.1@175.535,30.2 v5(176.208,30.2) ; IC12.3@175.55,22.925 v5(175.55,23.598) ; LD9.1@188.35,20.575 188.375,20.6 v2(188.375,21.55) ; LD4.1@188.35,23.6 v2(188.35,24.325) ; LD7.1@188.35,26.097 v2(188.35,26.925)
  L4 w0.2: C12.1@179.675,7.4 180.3,8.025 v1(180.3,8.064)
  L4 w0.254: IC10.10@131.375,19.475 131.406,19.506 v1(131.406,20.85) ; IC10.17@132.675,12.475 v1(132.675,10.9) 133.1,10.9 133.281,11.081 133.281,12.431 IC10.16@133.325,12.475 ; v1(136.295,77.882) 136.317,77.882 136.424,77.775 IC6A.31@137.5,77.775 ; v1(136.391,75.775) IC6A.27@137.5,75.775 ; v1(136.456,79.275) IC6A.34@137.5,79.275 ; v1(138.421,82.9) 138.421,82.24 C2A.1@138.45,82.211 138.45,81.701 138.604,81.547 138.604,81.421 138.7,81.325 IC6A.38@138.7,80.975 ; IC6A.23@138.7,74.075 138.7,73.413 138.717,73.396 138.717,73.047 C7A.1@138.9,72.864 v1(138.9,72.182) ; IC6A.18@141.2,74.075 141.2,72.925 C3A.1@141.25,72.875 v1(141.25,72.192) ; IC6A.43@141.2,80.975 141.2,82.1 C11A.1@141.25,82.15 v1(141.25,82.833) ; IC6A.7@144.4,77.275 143.749,77.275 143.647,77.377 143.647,77.728 v1(143.6,77.775) IC6A.6@144.4,77.775 ; v1(146.525,45.5) IC8.10@146.525,46.825 ; v1(146.58,67.427) 146.627,67.38 146.907,67.38 146.983,67.304 147.128,67.304 147.151,67.281 147.824,67.281 IC1B.31@147.832,67.273 ; v1(146.666,65.298) 146.691,65.273 IC1B.27@147.832,65.273 ; v1(146.726,68.773) IC1B.34@147.832,68.773 ; IC8.17@147.825,39.825 v1(147.825,38.282) 147.849,38.306 148.326,38.306 ; IC8.16@148.475,39.825 148.475,38.455 148.326,38.306 ; v1(148.857,61.717) C11B.1@148.857,62.4 149.032,62.575 IC1B.23@149.032,63.573 ; IC1B.38@149.032,70.473 149.032,71.568 C3B.1@149.082,71.618 v1(149.082,72.3) ; IC8.15@149.125,39.825 149.075,39.775 149.075,38.531 148.85,38.306 148.326,38.306 ; v1(151.5,72) 151.536,71.963 151.536,71.247 151.532,71.243 IC1B.43@151.532,70.473 ; IC1B.18@151.532,63.573 151.541,63.564 151.541,62.826 v1(151.8,62.567) ; IC1B.7@154.732,66.773 154.724,66.781 154.067,66.781 153.947,66.902 153.947,67.225 v1(153.9,67.273) IC1B.6@154.732,67.273 ; C8B.1@155.932,63.123 v1(156.615,63.123) ; C4B.1@155.992,71.418 v1(156.675,71.418) ; IC2.4@172.705,10.225 172.752,10.271 172.799,10.225 v1(173.875,10.225) ; IC2.1@172.799,6.415 v1(173.875,6.415) ; IC2.2@172.799,7.685 v1(173.875,7.685) ; IC2.3@172.799,8.955 v1(173.875,8.955) ; R51.1@189.7,14.6 v1(190.7,14.6) ; v1(192,7.895) 192.016,7.878 D2.5@193.036,7.878 ; D2.2@195.736,7.878 195.747,7.867 196.711,7.867 v1(196.722,7.856)
  L4 w0.3: v1(142.9,4.7) 143.599,4.7 C25.1@143.655,4.645 ; v3(143.05,9.925) 144.405,9.925 R2.1@144.705,10.224
  L4 w0.4: C30B.1@71.15,71.634 71.15,72.334 71.342,72.526 71.342,73.193 IC18B.1@71.61,73.461 ; C30H.1@71.163,6.472 71.163,7.172 71.355,7.365 71.355,8.031 IC18H.1@71.623,8.299 ; C30D.1@71.22,49.377 71.22,50.077 71.412,50.269 71.412,50.936 IC18D.1@71.68,51.204 ; C30F.1@71.26,27.458 71.26,28.158 71.452,28.35 71.452,29.017 IC18F.1@71.72,29.284 ; C30E.1@108.4,34.6 108.4,35.3 108.592,35.492 108.592,36.159 IC18E.1@108.86,36.427 ; C30C.1@108.435,56.201 108.435,56.901 108.627,57.093 108.627,57.76 IC18C.1@108.895,58.028 ; C30G.1@108.443,12.598 108.443,13.298 108.635,13.49 108.635,14.157 IC18G.1@108.903,14.425 ; C30A.1@108.755,78.991 108.755,79.691 108.947,79.883 108.947,80.55 IC18A.1@109.215,80.817
  L4 w0.5: C39D.2@69.62,53.404 71.68,51.344 IC18D.1@71.68,51.204 ; C39F.2@69.635,31.534 69.635,31.369 IC18F.1@71.72,29.284 ; C39H.2@69.738,10.474 69.738,10.184 IC18H.1@71.623,8.299 ; C39B.2@70.445,75.586 71.361,74.67 71.361,73.709 IC18B.1@71.61,73.461 ; C39C.2@107.73,60.153 108.646,59.237 108.646,58.277 IC18C.1@108.895,58.028 ; C39G.2@107.738,16.55 108.654,15.634 108.654,14.674 IC18G.1@108.903,14.425 ; C39E.2@107.825,38.525 107.825,38.2 108.65,37.375 108.65,36.637 IC18E.1@108.86,36.427 ; C39A.2@108.05,82.943 108.966,82.027 108.966,81.066 IC18A.1@109.215,80.817
  other v1: 139.054,6.387 152.904,9.524 143.571,18.371 149.679,18.429 207,47.86 208,47.86 209,47.86 210,47.86 211.039,47.86 212,47.86 213.019,47.86 214,47.86 215,47.86 216,47.86 217,47.86 217.939,47.86 219,47.86 207,52.11 208,52.11 209,52.11 210,52.11 211.039,52.11 212,52.11 213.019,52.11 214,52.11 215,52.11 216,52.11 217,52.11 217.939,52.11 219,52.11 137.3,55.3
  other v2: 73.158,12.129 110.438,18.255 73.255,33.114 110.395,40.257 73.215,55.034 110.43,61.858 73.145,77.291 110.75,84.647
  other v3: 141.725,9.35 142.375,9.35 143.05,9.35 141.725,9.925 142.375,9.925 141.6,12.85 142.25,12.85 142.925,12.85 141.6,13.425 142.25,13.425 142.925,13.425 140.58,54.268 141.986,54.268 143.298,54.268 140.58,55.668 141.986,55.668 143.298,55.668 140.58,57.128 141.986,57.128 143.298,57.128 149.876,65.623 151.282,65.623 152.594,65.623 149.876,67.023 151.282,67.023 152.594,67.023 149.876,68.483 151.282,68.483 152.594,68.483 139.544,76.125 140.95,76.125 142.262,76.125 139.544,77.525 140.95,77.525 142.262,77.525 139.544,78.985 140.95,78.985 142.262,78.985 130,86.1 131.406,86.1 132.718,86.1 130,87.5 131.406,87.5 132.718,87.5 130,88.96 131.406,88.96 132.718,88.96